# Altium PCB lxdnei.PcbDoc
Units mm, origin at the board's own origin, x right, y up, seen from the top; angles counter-clockwise.
Board outline 31 x 153 mm, 4 copper layers (Top Layer, Signal Layer UP, Signal Layer DOWN, Bottom Layer), stack 0.778 mm thick; 12 components, 20 nets, 73 pads, 0 vias.
Unrouted connection lines stored in the file: 2.
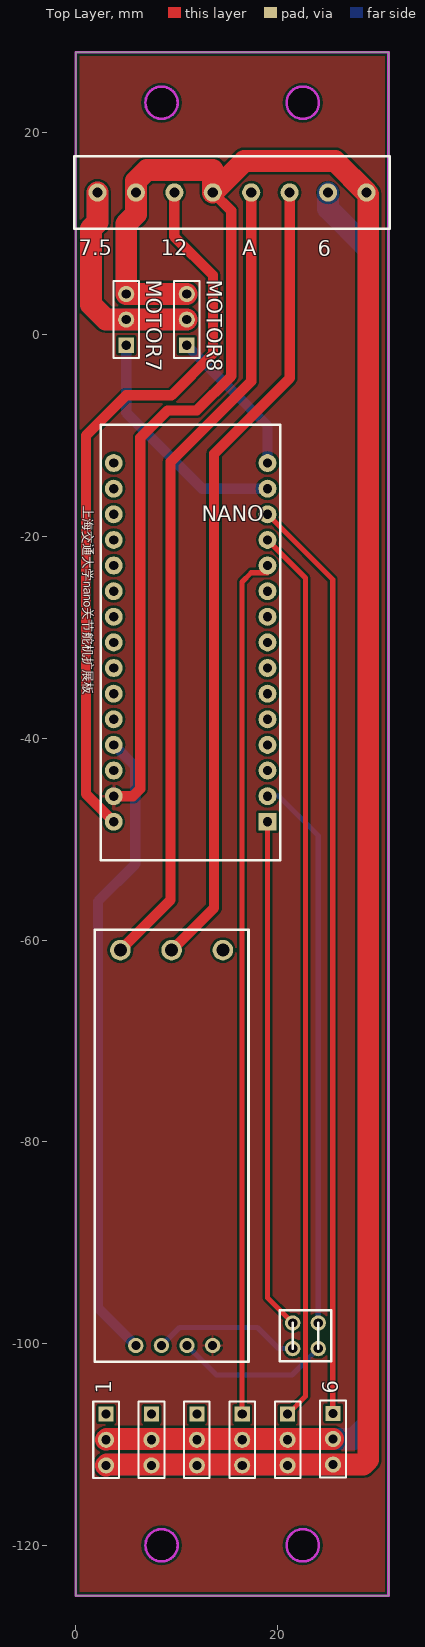
[diagram p0: Top Layer view]
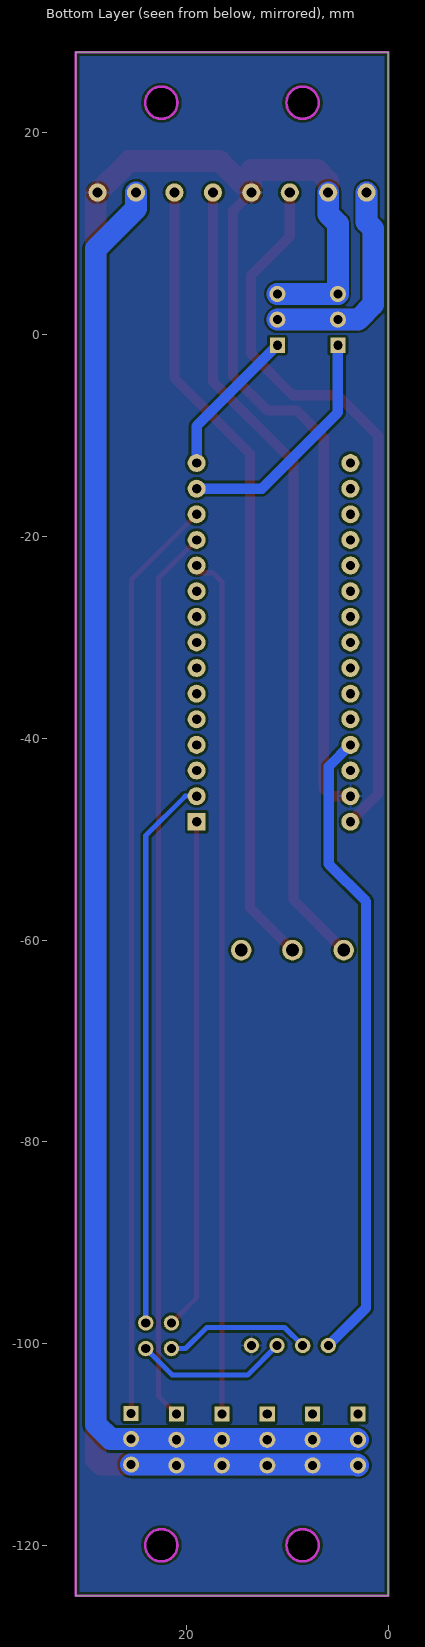
[diagram p1: Bottom Layer view, seen from below]
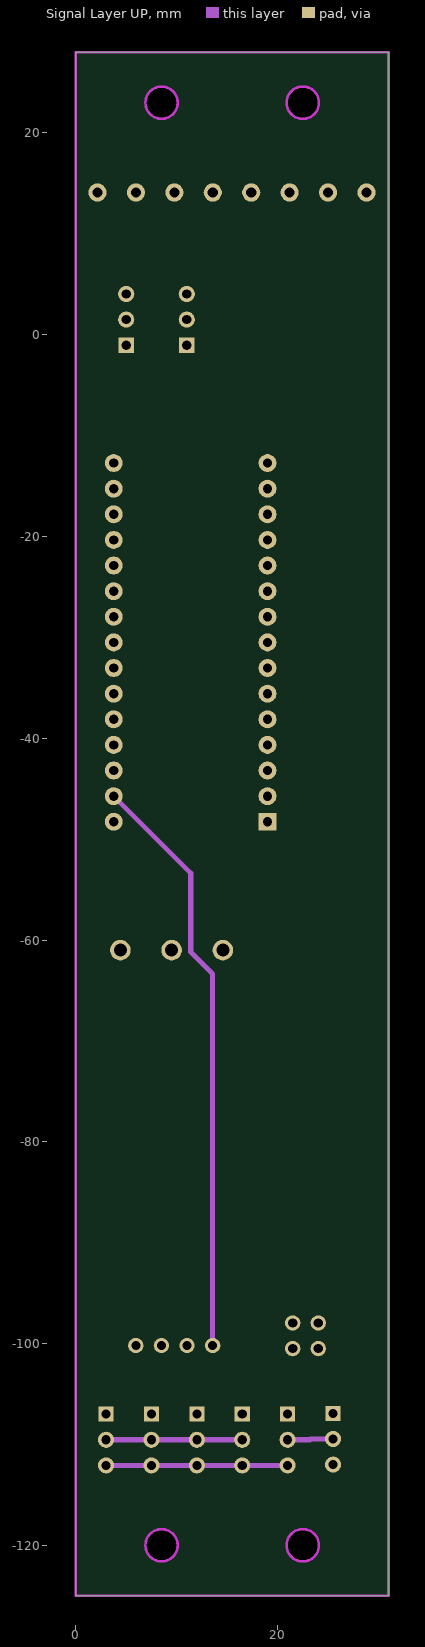
[diagram p2: Signal Layer UP]
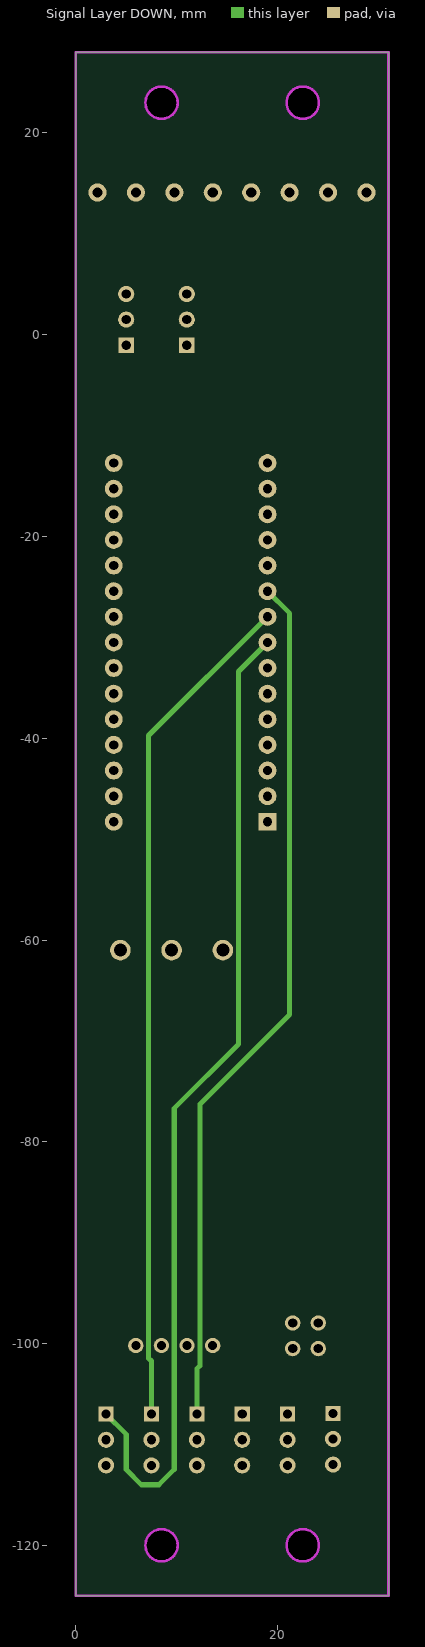
[diagram p3: Signal Layer DOWN]

## Layer stack, top to bottom
Top Solder: solder mask 0.0102, Solder Resist, Dk 3.5
Top Layer: signal copper 0.0356
Dielectric 1: core 0.254, FR-4, Dk 4.2
Signal Layer UP: signal copper 0.036
Dielectric 3: prepreg 0.127, Dk 4.2
Signal Layer DOWN: signal copper 0.036
Dielectric 2: core 0.254, Dk 4.2
Bottom Layer: signal copper 0.0356
Bottom Solder: solder mask 0.0102, Solder Resist, Dk 3.5

## Board outline
0,-125 0,-115 0,18 0,28 31,28 31,18 31,-115 31,-125
cut-out: 8.5,21.4 cw(c8.5,23) 6.9,23 cw(c8.5,23) 8.5,24.6 cw(c8.5,23) 10.1,23 cw(c8.5,23)
cut-out: 22.5,21.4 cw(c22.5,23) 20.9,23 cw(c22.5,23) 22.5,24.6 cw(c22.5,23) 24.1,23 cw(c22.5,23)
cut-out: 8.5,-121.6 cw(c8.5,-120) 6.9,-120 cw(c8.5,-120) 8.5,-118.4 cw(c8.5,-120) 10.1,-120 cw(c8.5,-120)
cut-out: 22.5,-121.6 cw(c22.5,-120) 20.9,-120 cw(c22.5,-120) 22.5,-118.4 cw(c22.5,-120) 24.1,-120 cw(c22.5,-120)

## Design rules (kind name [scope] priority, off if disabled: settings)
Clearance [All] p1: gap=0.254 ignorepadtopadclearanceinfootprint=FALSE except(0: Arc-Hole Track-Hole SMDPad-Hole THPad-Hole Via-Hole Fill-Hole Poly-Hole Region-Hole Text-Hole)
PolygonConnect [All] p1: connectstyle=Relief reliefconductorwidth=0.254 reliefentries=4 polygonreliefangle="90 Angle" airgapwidth=0.254
RoutingVias [All] p1: holewidth=0.711 width=1.27 viastyle="Through Hole" minholewidth=0.711 minwidth=1.27 maxholewidth=0.711 maxwidth=1.27
SilkToBoardRegionClearance [All] p1 off:
SilkToSilkClearance [All] p1 off: silktosilkclearance=0.254
SilkToSolderMaskClearance [IsPad] p1 off: minsilkscreentomaskgap=0.254 clearancetoexposedcopper=TRUE
SolderMaskExpansion [All] p1: expansion=0.102
Width [All] p1: maxlimit=2.54 minlimit=0.508 preferedwidth=0.508
27 further rules are at their usual default settings.

## Classes and differential pairs
component class Sheet1: 1

## Components (designator, comment, footprint, x,y, rotation, side; value= is the part's Value field where it differs from the comment)
1 "" HDR1X3 3,-107 r270 top (schematic designator MOTOR1)
MOTOR2 "" HDR1X3 7.5,-107 r270 top
MOTOR3 "" HDR1X3 12,-107 r270 top
MOTOR4 "" HDR1X3 16.5,-107 r270 top
MOTOR5 "" HDR1X3 21,-107 r270 top
MOTOR6 "" HDR1X3 25.5,-106.92 r270 top
MOTOR7 "" HDR1X3 5,-1.04 r90 top (schematic designator MOTOR6)
MOTOR8 "" HDR1X3 11,-1.04 r90 top (schematic designator MOTOR6)
U1 "Nano" NANO 19,-48.28 r180 top
U2 "TTL-485" ttl-485 1.9,-101.8 r90 top
? "Comment" "3.81 8p" 2.15,14.1 r0 top
? "Comment" "4p jump" 21.5,-97.96 r0 top

## Footprints (in the part's own frame and the unit in brackets; to place one, negate y for a bottom-side part, rotate by r counter-clockwise, add the part's x,y. Pads: shape width x height; smd on the part's side, far side on the other; paste and mask are expansions set on the pad)
"3.81 8p" [mm]
  round 1.8 hole 1: 1(0,0) 2(3.81,0) 3(7.62,0) 4(11.43,0) 5(15.24,0) 6(19.05,0) 7(22.86,0) 8(26.67,0)
  silkscreen extent -2.3,-3.6 28.98,3.6
"4p jump" [mil]
  round 60 hole 36: 1(0,0) 2(0,-100) 3(100,0) 4(100,-100)
  silkscreen extent -50,-150 150,50
HDR1X3 [mm] "Connector; Header; 3 Position"
  rect 1.5x1.5 hole 0.9: 1(0,0)
  round 1.6 hole 0.9: 2(2.54,0) 3(5.08,0)
  silkscreen extent -1.27,-1.27 6.35,1.27
NANO [mil]
  rect 70x70 hole 36: 1(0,0)
  round 70 hole 36: 2(0,-100) 3(0,-200) 4(0,-300) 5(0,-400) 6(0,-500) 7(0,-600) 8(0,-700) 9(0,-800) 10(0,-900) 11(0,-1000) 12(0,-1100) 13(0,-1200) 14(0,-1300) 15(0,-1400) 16(600,-1400) 17(600,-1300) 18(600,-1200) 19(600,-1100) 20(600,-1000) 21(600,-900) 22(600,-800) 23(600,-700) 24(600,-600) 25(600,-500) 26(600,-400) 27(600,-300) 28(600,-200) 29(600,-100)
  round 70 hole 36 mask+4: 30(600,0)
  silkscreen extent -50,-1550 650,150
ttl-485 [mil]
  round 80 hole 50: 1(1606.3,-99.21) 2(1606.3,-299.21) 3(1606.3,-499.21)
  round 60 hole 35: 4(62.99,-159.45) 5(62.99,-259.45) 6(62.99,-359.45) 7(62.99,-459.45)
  silkscreen extent 0,-599 1685,0

## Part data
1 MOTOR2 MOTOR3 MOTOR4 MOTOR5 MOTOR6 MOTOR7 MOTOR8: library part "Header 3", "Header, 3-Pin"

## Nets (pads, with @x,y where several pads share a name; then routed paths per layer and width w, separated by ;. In a path a pad name is that pad's centre, name@x,y a point inside that pad or via, vN(x,y) a via of type N, cw(c..) or ccw(c..) an arc to the next point about the centre after c; other vN are vias at no path point)
5V: U1.27 U2.4 | length 63.5
  Bottom Layer w1.016: U1.27 5.9,-42.8 5.9,-52.477 2.2,-56.177 2.2,-96.45 U2.4
BM1: MOTOR7.1 U1.14 | length 23.8
  Bottom Layer w1.016: MOTOR7.1 5,-7.718 12.542,-15.26 U1.14
BM2: MOTOR8.1 U1.15 | length 15
  Bottom Layer w1.016: MOTOR8.1 19,-9.04 U1.15
GND: 1.3 ?.2@5.96,14.1 ?.4@13.58,14.1 ?.8 MOTOR2.3 MOTOR3.3 MOTOR4.3 MOTOR5.3 MOTOR6.3 MOTOR7.3 MOTOR8.3 U1.29 U2.7 | length 381.4
  Top Layer w1.016: U1.29 5.66,-45.74 6.4,-45 6.4,-10.2 9.1,-7.5 12,-7.5 15.4,-4.1 15.4,12.28 ?.4@13.58,14.1
  Top Layer w2.159: 1.3 3.08,-112 MOTOR6.3 28.5,-112 29,-111.5 29,13.92 ?.8 25.7,17.22 16.7,17.22 13.58,14.1 13.58,16.334 7.066,16.334 5.96,15.227 5.96,14.1 5.96,11.96 5,11 MOTOR7.3 MOTOR8.3
  Signal Layer UP w0.508: 1.3 MOTOR2.3 MOTOR3.3 MOTOR4.3 MOTOR5.3 ; U1.29 11.4,-53.38 11.4,-61.2 13.57,-63.37 U2.7
  Bottom Layer w2.159: 1.3 3.08,-112 MOTOR6.3 ; ?.2@5.96,14.1 5.96,11.96 5,11 MOTOR7.3 MOTOR8.3
M5: 1.1 U1.8 | length 98.1
  Signal Layer DOWN w0.508: 1.1 5,-109 5,-112.5 6.5,-114 8.232,-114 9.76,-112.472 9.76,-76.684 16.12,-70.324 16.12,-33.38 U1.8
M6: MOTOR2.1 U1.9 | length 84
  Signal Layer DOWN w0.508: MOTOR2.1 7.5,-101.744 7.22,-101.464 7.22,-39.74 U1.9
M7: MOTOR3.1 U1.10 | length 86.3
  Signal Layer DOWN w0.508: MOTOR3.1 12,-102.5 12.3,-102.2 12.3,-76.277 21.2,-67.377 21.2,-27.62 U1.10
M8: MOTOR4.1 U1.11 | length 86.1
  Top Layer w0.508: MOTOR4.1 16.476,-106.976 16.476,-24.502 17.39,-23.588 19,-23.588 U1.11
M9: MOTOR5.1 U1.12 | length 89
  Top Layer w0.508: U1.12 22.775,-24.115 22.775,-96.689 22.77,-96.694 22.77,-105.23 MOTOR5.1
M10: MOTOR6.1 U1.13 | length 91.8
  Top Layer w0.508: U1.13 25.467,-24.267 25.467,-106.112 25.5,-106.145 MOTOR6.1
M11: 
NetJUMP1_1: 
NetJUMP2_2: ?.3@9.77,14.1 U1.30 | length 73
  Top Layer w1.016: U1.30 3.76,-48.26 1,-45.5 1,-10 5,-6 9.5,-6 13.6,-1.9 13.6,5.9 9.77,9.73 ?.3@9.77,14.1
NetP1_1: ?.5 U2.1 | length 80.5
  Top Layer w1.016: U2.1 9.4,-56.02 9.4,-12.6 17.39,-4.61 ?.5
NetP1_2: ?.6 U2.2 | length 79.9
  Top Layer w1.016: U2.2 13.707,-56.793 13.707,-11.793 21.2,-4.3 ?.6
NetP1_3: 
RX: ?.3@24.04,-97.96 ?.4@24.04,-100.5 U1.2 U2.6 | length 70.3
  Bottom Layer w0.508: U2.6 13.945,-103.115 21.425,-103.115 ?.4@24.04,-100.5 ; U1.2 20.14,-45.74 24.04,-49.64 ?.3@24.04,-97.96
TX: ?.1@21.5,-97.96 ?.2@21.5,-100.5 U1.1 U2.5 | length 65.3
  Top Layer w0.508: U1.1 19,-95.46 ?.1@21.5,-97.96
  Bottom Layer w0.508: U2.5 10.29,-98.4 18,-98.4 20.1,-100.5 ?.2@21.5,-100.5
VIN: 1.2 ?.7 MOTOR2.2 MOTOR3.2 MOTOR4.2 MOTOR5.2 MOTOR6.2 | length 191
  Top Layer w2.159: 1.2 3.08,-109.46 7.5,-109.46 21,-109.46 MOTOR6.2
  Signal Layer UP w0.508: 1.2 MOTOR2.2 MOTOR3.2 MOTOR4.2 ; MOTOR5.2 23.207,-109.54 23.287,-109.46 MOTOR6.2
  Bottom Layer w2.159: 1.2 3.08,-109.46 7.5,-109.46 21,-109.46 MOTOR6.2 27.54,-109.46 29,-108 29,8.5 25.01,12.49 ?.7
VIN7: ?.1@2.15,14.1 MOTOR7.2 MOTOR8.2 | length 43
  Top Layer w2.159: ?.1@2.15,14.1 2.15,11.15 1.5,10.5 1.5,3 3,1.5 MOTOR7.2 MOTOR8.2
  Bottom Layer w2.159: ?.1@2.15,14.1 2.15,11.15 1.5,10.5 1.5,3 3,1.5 MOTOR7.2 MOTOR8.2
pads on no net: U1.3 U1.4 U1.5 U1.6 U1.7 U1.16 U1.17 U1.18 U1.19 U1.20 U1.21 U1.22 U1.23 U1.24 U1.25 U1.26 U1.28 U2.3

## Polygon pours and split planes (outlines as drawn)
GND on Bottom Layer "GND-2" (solid, pour order 26): 0,28 31,28 31,-125 0,-125
GND on Top Layer "GND-2" (solid, pour order 30): 0,28 31,28 31,-125 0,-125

## Keep-outs
Keep-Out Layer:
  circle w0.254: c8.5,-120 r1.6
  circle w0.254: c22.5,-120 r1.6
  circle w0.254: c22.5,23 r1.6
  circle w0.254: c8.5,23 r1.6
  lines w0.254: 0,-125 0,-115 0,18 0,28 31,28 31,18 31,-115 31,-125 0,-125

## Silkscreen, mask and mechanical layers (free items; w line width, h text height)
Top Overlay:
  lines w0.254: 21.5,-100.5 21.5,-97.96 ; 24.04,-100.5 24.04,-97.96
  text "7.5" at 0.3,7.9 h1.52
  text "12" at 8.4,7.9 h1.52
  text "A" at 16.5,7.9 h1.52
  text "6" at 24,7.8 h1.52
  text "上海交通大学nano关节舵机扩展板" at 0.5,-17 h1.52 r270
  text "NANO" at 12.5,-18.5 h1.52
  text "6" at 26,-105 h1.52 r90